# Altium PCB CHAHARDOLI-7 ADAD METAL.PcbDoc (part 1 of 10) (continued)
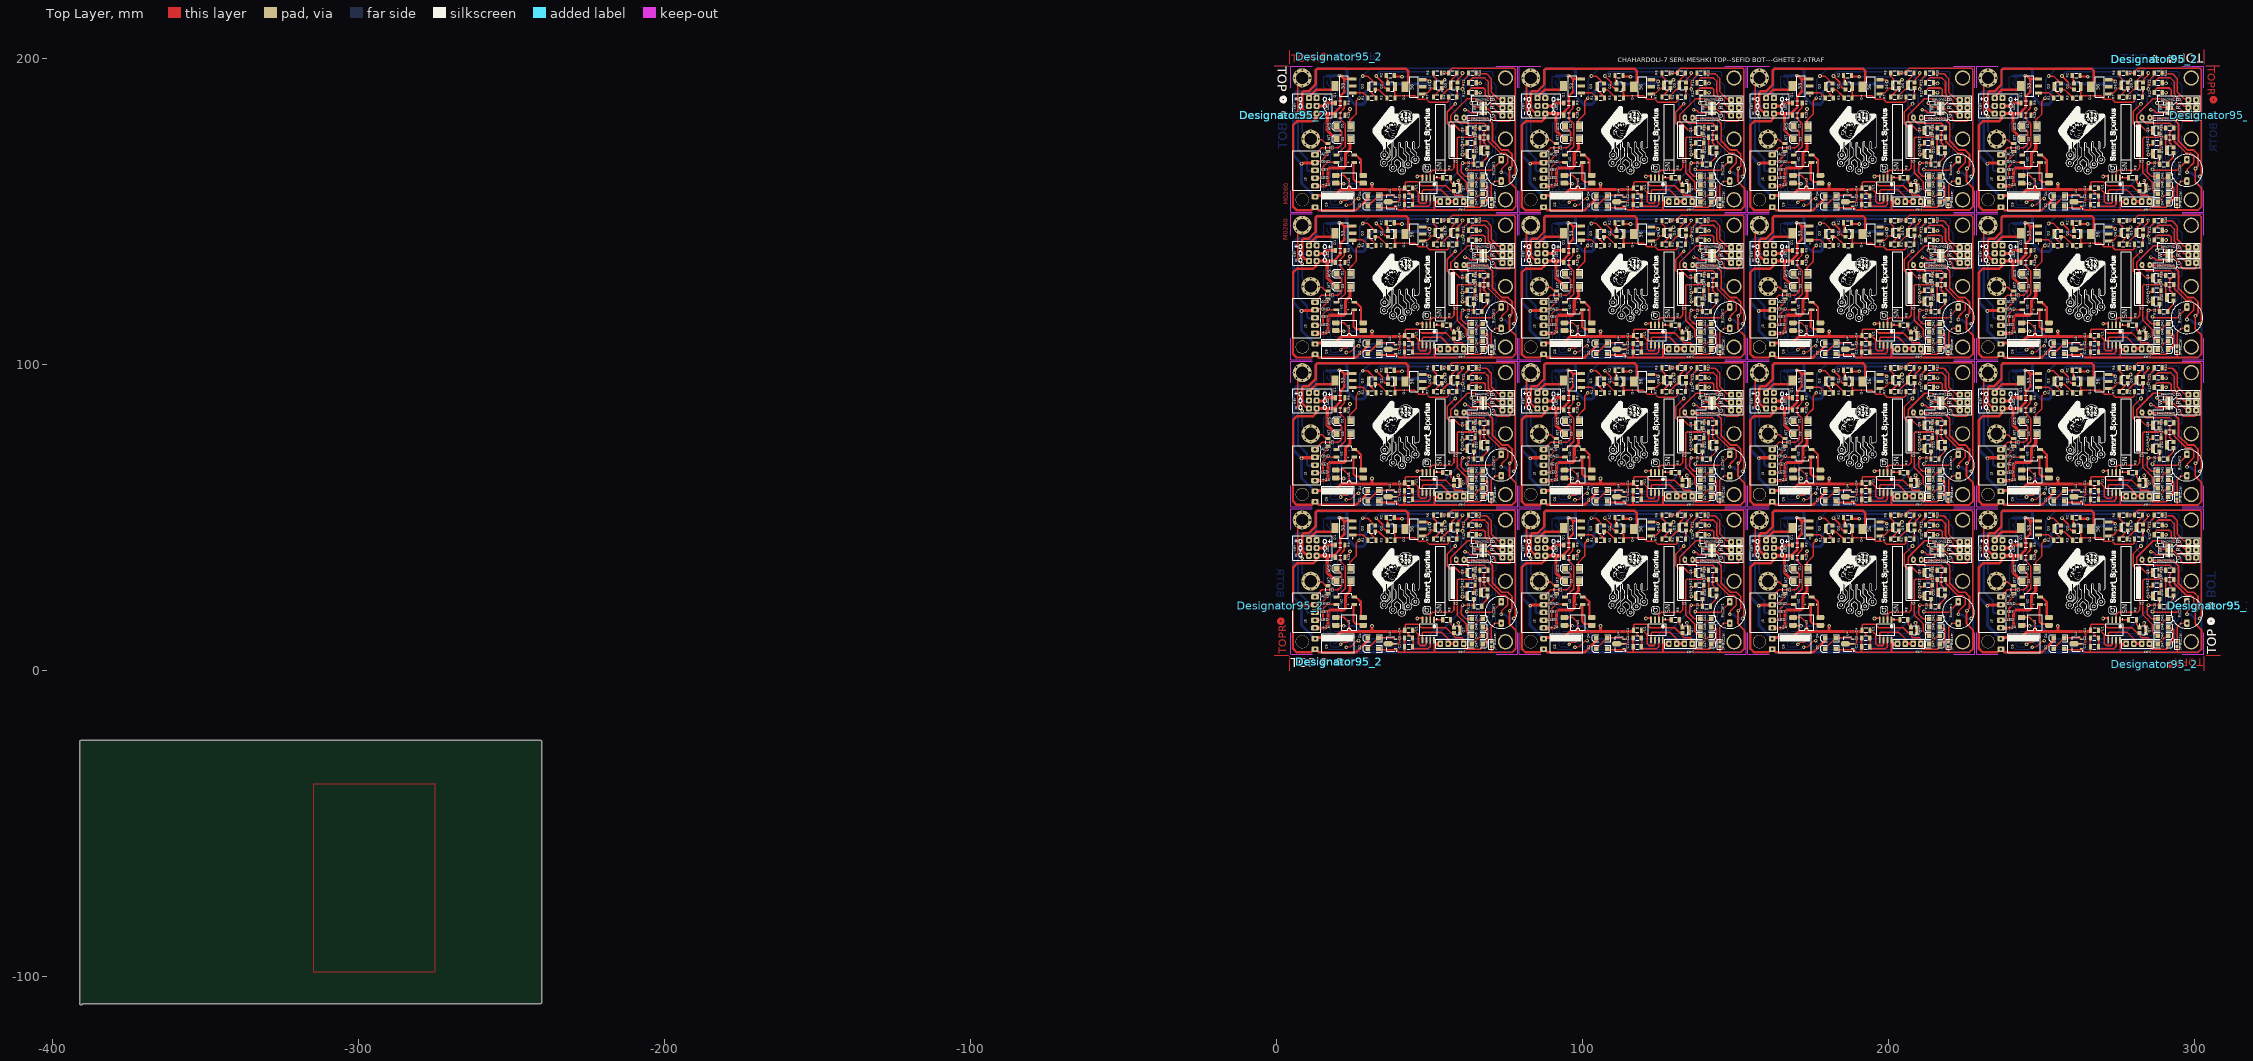
[diagram p0: Top Layer view]
## Components (designator, comment, footprint, x,y, rotation, side; value= is the part's Value field where it differs from the comment) (continued)
2 "LED2" "RES 0805 (2012X06L)" 68.336,31.31 r90 bottom
2 "LED2" "RES 0805 (2012X06L)" 68.336,22.51 r90 bottom
2 "LED2" "RES 0805 (2012X06L)" 68.336,13.71 r90 bottom
3 "LED2" "RES 0805 (2012X06L)" 292.4,9.31 r90 bottom
3 "LED2" "RES 0805 (2012X06L)" 292.4,18.11 r90 bottom
3 "LED2" "RES 0805 (2012X06L)" 292.4,26.91 r90 bottom
3 "LED2" "RES 0805 (2012X06L)" 292.4,35.71 r90 bottom
3 "LED2" "RES 0805 (2012X06L)" 292.4,44.51 r90 bottom
3 "LED2" "RES 0805 (2012X06L)" 242.8,44.51 r270 bottom
3 "LED2" "RES 0805 (2012X06L)" 242.8,35.71 r270 bottom
3 "LED2" "RES 0805 (2012X06L)" 242.8,26.91 r270 bottom
3 "LED2" "RES 0805 (2012X06L)" 242.8,18.11 r270 bottom
3 "LED2" "RES 0805 (2012X06L)" 242.8,9.51 r270 bottom
3 "LED2" "RES 0805 (2012X06L)" 242.8,57.655 r270 bottom
3 "LED2" "RES 0805 (2012X06L)" 242.8,66.255 r270 bottom
3 "LED2" "RES 0805 (2012X06L)" 242.8,75.055 r270 bottom
3 "LED2" "RES 0805 (2012X06L)" 242.8,83.855 r270 bottom
3 "LED2" "RES 0805 (2012X06L)" 242.8,92.655 r270 bottom
3 "LED2" "RES 0805 (2012X06L)" 292.4,92.655 r90 bottom
3 "LED2" "RES 0805 (2012X06L)" 292.4,83.855 r90 bottom
3 "LED2" "RES 0805 (2012X06L)" 292.4,75.055 r90 bottom
3 "LED2" "RES 0805 (2012X06L)" 292.4,66.255 r90 bottom
3 "LED2" "RES 0805 (2012X06L)" 292.4,57.455 r90 bottom
3 "LED2" "RES 0805 (2012X06L)" 242.8,105.8 r270 bottom
3 "LED2" "RES 0805 (2012X06L)" 242.8,114.4 r270 bottom
3 "LED2" "RES 0805 (2012X06L)" 242.8,123.2 r270 bottom
3 "LED2" "RES 0805 (2012X06L)" 242.8,132 r270 bottom
3 "LED2" "RES 0805 (2012X06L)" 242.8,140.8 r270 bottom
3 "LED2" "RES 0805 (2012X06L)" 292.4,140.8 r90 bottom
3 "LED2" "RES 0805 (2012X06L)" 292.4,132 r90 bottom
3 "LED2" "RES 0805 (2012X06L)" 292.4,123.2 r90 bottom
3 "LED2" "RES 0805 (2012X06L)" 292.4,114.4 r90 bottom
3 "LED2" "RES 0805 (2012X06L)" 292.4,105.6 r90 bottom
3 "LED2" "RES 0805 (2012X06L)" 242.8,153.945 r270 bottom
3 "LED2" "RES 0805 (2012X06L)" 242.8,162.545 r270 bottom
3 "LED2" "RES 0805 (2012X06L)" 242.8,171.345 r270 bottom
3 "LED2" "RES 0805 (2012X06L)" 242.8,180.145 r270 bottom
3 "LED2" "RES 0805 (2012X06L)" 242.8,188.945 r270 bottom
3 "LED2" "RES 0805 (2012X06L)" 292.4,188.945 r90 bottom
3 "LED2" "RES 0805 (2012X06L)" 292.4,180.145 r90 bottom
3 "LED2" "RES 0805 (2012X06L)" 292.4,171.345 r90 bottom
3 "LED2" "RES 0805 (2012X06L)" 292.4,162.545 r90 bottom
3 "LED2" "RES 0805 (2012X06L)" 292.4,153.745 r90 bottom
3 "LED2" "RES 0805 (2012X06L)" 217.712,153.745 r90 bottom
3 "LED2" "RES 0805 (2012X06L)" 217.712,162.545 r90 bottom
3 "LED2" "RES 0805 (2012X06L)" 217.712,171.345 r90 bottom
3 "LED2" "RES 0805 (2012X06L)" 217.712,180.145 r90 bottom
3 "LED2" "RES 0805 (2012X06L)" 217.712,188.945 r90 bottom
3 "LED2" "RES 0805 (2012X06L)" 168.112,188.945 r270 bottom
3 "LED2" "RES 0805 (2012X06L)" 168.112,180.145 r270 bottom
3 "LED2" "RES 0805 (2012X06L)" 168.112,171.345 r270 bottom
3 "LED2" "RES 0805 (2012X06L)" 168.112,162.545 r270 bottom
3 "LED2" "RES 0805 (2012X06L)" 168.112,153.945 r270 bottom
3 "LED2" "RES 0805 (2012X06L)" 217.712,105.6 r90 bottom
3 "LED2" "RES 0805 (2012X06L)" 217.712,114.4 r90 bottom
3 "LED2" "RES 0805 (2012X06L)" 217.712,123.2 r90 bottom
3 "LED2" "RES 0805 (2012X06L)" 217.712,132 r90 bottom
3 "LED2" "RES 0805 (2012X06L)" 217.712,140.8 r90 bottom
3 "LED2" "RES 0805 (2012X06L)" 168.112,140.8 r270 bottom
3 "LED2" "RES 0805 (2012X06L)" 168.112,132 r270 bottom
3 "LED2" "RES 0805 (2012X06L)" 168.112,123.2 r270 bottom
3 "LED2" "RES 0805 (2012X06L)" 168.112,114.4 r270 bottom
3 "LED2" "RES 0805 (2012X06L)" 168.112,105.8 r270 bottom
3 "LED2" "RES 0805 (2012X06L)" 217.712,57.455 r90 bottom
3 "LED2" "RES 0805 (2012X06L)" 217.712,66.255 r90 bottom
3 "LED2" "RES 0805 (2012X06L)" 217.712,75.055 r90 bottom
3 "LED2" "RES 0805 (2012X06L)" 217.712,83.855 r90 bottom
3 "LED2" "RES 0805 (2012X06L)" 217.712,92.655 r90 bottom
3 "LED2" "RES 0805 (2012X06L)" 168.112,92.655 r270 bottom
3 "LED2" "RES 0805 (2012X06L)" 168.112,83.855 r270 bottom
3 "LED2" "RES 0805 (2012X06L)" 168.112,75.055 r270 bottom
3 "LED2" "RES 0805 (2012X06L)" 168.112,66.255 r270 bottom
3 "LED2" "RES 0805 (2012X06L)" 168.112,57.655 r270 bottom
3 "LED2" "RES 0805 (2012X06L)" 168.112,9.51 r270 bottom
3 "LED2" "RES 0805 (2012X06L)" 168.112,18.11 r270 bottom
3 "LED2" "RES 0805 (2012X06L)" 168.112,26.91 r270 bottom
3 "LED2" "RES 0805 (2012X06L)" 168.112,35.71 r270 bottom
3 "LED2" "RES 0805 (2012X06L)" 168.112,44.51 r270 bottom
3 "LED2" "RES 0805 (2012X06L)" 217.712,44.51 r90 bottom
3 "LED2" "RES 0805 (2012X06L)" 217.712,35.71 r90 bottom
3 "LED2" "RES 0805 (2012X06L)" 217.712,26.91 r90 bottom
3 "LED2" "RES 0805 (2012X06L)" 217.712,18.11 r90 bottom
3 "LED2" "RES 0805 (2012X06L)" 217.712,9.31 r90 bottom
3 "LED2" "RES 0805 (2012X06L)" 143.024,153.745 r90 bottom
3 "LED2" "RES 0805 (2012X06L)" 143.024,162.545 r90 bottom
3 "LED2" "RES 0805 (2012X06L)" 143.024,171.345 r90 bottom
3 "LED2" "RES 0805 (2012X06L)" 143.024,180.145 r90 bottom
3 "LED2" "RES 0805 (2012X06L)" 143.024,188.945 r90 bottom
3 "LED2" "RES 0805 (2012X06L)" 93.424,188.945 r270 bottom
3 "LED2" "RES 0805 (2012X06L)" 93.424,180.145 r270 bottom
3 "LED2" "RES 0805 (2012X06L)" 93.424,171.345 r270 bottom
3 "LED2" "RES 0805 (2012X06L)" 93.424,162.545 r270 bottom
3 "LED2" "RES 0805 (2012X06L)" 93.424,153.945 r270 bottom
3 "LED2" "RES 0805 (2012X06L)" 143.024,105.6 r90 bottom
3 "LED2" "RES 0805 (2012X06L)" 143.024,114.4 r90 bottom
3 "LED2" "RES 0805 (2012X06L)" 143.024,123.2 r90 bottom
3 "LED2" "RES 0805 (2012X06L)" 143.024,132 r90 bottom
3 "LED2" "RES 0805 (2012X06L)" 143.024,140.8 r90 bottom
3 "LED2" "RES 0805 (2012X06L)" 93.424,140.8 r270 bottom
3 "LED2" "RES 0805 (2012X06L)" 93.424,132 r270 bottom
3 "LED2" "RES 0805 (2012X06L)" 93.424,123.2 r270 bottom
3 "LED2" "RES 0805 (2012X06L)" 93.424,114.4 r270 bottom
3 "LED2" "RES 0805 (2012X06L)" 93.424,105.8 r270 bottom
3 "LED2" "RES 0805 (2012X06L)" 143.024,57.455 r90 bottom
3 "LED2" "RES 0805 (2012X06L)" 143.024,66.255 r90 bottom
3 "LED2" "RES 0805 (2012X06L)" 143.024,75.055 r90 bottom
3 "LED2" "RES 0805 (2012X06L)" 143.024,83.855 r90 bottom
3 "LED2" "RES 0805 (2012X06L)" 143.024,92.655 r90 bottom
3 "LED2" "RES 0805 (2012X06L)" 93.424,92.655 r270 bottom
3 "LED2" "RES 0805 (2012X06L)" 93.424,83.855 r270 bottom
3 "LED2" "RES 0805 (2012X06L)" 93.424,75.055 r270 bottom
3 "LED2" "RES 0805 (2012X06L)" 93.424,66.255 r270 bottom
3 "LED2" "RES 0805 (2012X06L)" 93.424,57.655 r270 bottom
3 "LED2" "RES 0805 (2012X06L)" 93.424,9.51 r270 bottom
3 "LED2" "RES 0805 (2012X06L)" 93.424,18.11 r270 bottom
3 "LED2" "RES 0805 (2012X06L)" 93.424,26.91 r270 bottom
3 "LED2" "RES 0805 (2012X06L)" 93.424,35.71 r270 bottom
3 "LED2" "RES 0805 (2012X06L)" 93.424,44.51 r270 bottom
3 "LED2" "RES 0805 (2012X06L)" 143.024,44.51 r90 bottom
3 "LED2" "RES 0805 (2012X06L)" 143.024,35.71 r90 bottom
3 "LED2" "RES 0805 (2012X06L)" 143.024,26.91 r90 bottom
3 "LED2" "RES 0805 (2012X06L)" 143.024,18.11 r90 bottom
3 "LED2" "RES 0805 (2012X06L)" 143.024,9.31 r90 bottom
3 "LED2" "RES 0805 (2012X06L)" 68.336,153.745 r90 bottom
3 "LED2" "RES 0805 (2012X06L)" 68.336,162.545 r90 bottom
3 "LED2" "RES 0805 (2012X06L)" 68.336,171.345 r90 bottom
3 "LED2" "RES 0805 (2012X06L)" 68.336,180.145 r90 bottom
3 "LED2" "RES 0805 (2012X06L)" 68.336,188.945 r90 bottom
3 "LED2" "RES 0805 (2012X06L)" 18.736,188.945 r270 bottom
3 "LED2" "RES 0805 (2012X06L)" 18.736,180.145 r270 bottom
3 "LED2" "RES 0805 (2012X06L)" 18.736,171.345 r270 bottom
3 "LED2" "RES 0805 (2012X06L)" 18.736,162.545 r270 bottom
3 "LED2" "RES 0805 (2012X06L)" 18.736,153.945 r270 bottom
3 "LED2" "RES 0805 (2012X06L)" 68.336,105.6 r90 bottom
3 "LED2" "RES 0805 (2012X06L)" 68.336,114.4 r90 bottom
3 "LED2" "RES 0805 (2012X06L)" 68.336,123.2 r90 bottom
3 "LED2" "RES 0805 (2012X06L)" 68.336,132 r90 bottom
3 "LED2" "RES 0805 (2012X06L)" 68.336,140.8 r90 bottom
3 "LED2" "RES 0805 (2012X06L)" 18.736,140.8 r270 bottom
3 "LED2" "RES 0805 (2012X06L)" 18.736,132 r270 bottom
3 "LED2" "RES 0805 (2012X06L)" 18.736,123.2 r270 bottom
3 "LED2" "RES 0805 (2012X06L)" 18.736,114.4 r270 bottom
3 "LED2" "RES 0805 (2012X06L)" 18.736,105.8 r270 bottom
3 "LED2" "RES 0805 (2012X06L)" 68.336,57.455 r90 bottom
3 "LED2" "RES 0805 (2012X06L)" 68.336,66.255 r90 bottom
3 "LED2" "RES 0805 (2012X06L)" 68.336,75.055 r90 bottom
3 "LED2" "RES 0805 (2012X06L)" 68.336,83.855 r90 bottom
3 "LED2" "RES 0805 (2012X06L)" 68.336,92.655 r90 bottom
3 "LED2" "RES 0805 (2012X06L)" 18.736,92.655 r270 bottom
3 "LED2" "RES 0805 (2012X06L)" 18.736,83.855 r270 bottom
3 "LED2" "RES 0805 (2012X06L)" 18.736,75.055 r270 bottom
3 "LED2" "RES 0805 (2012X06L)" 18.736,66.255 r270 bottom
3 "LED2" "RES 0805 (2012X06L)" 18.736,57.655 r270 bottom
3 "LED2" "RES 0805 (2012X06L)" 18.736,9.51 r270 bottom
3 "LED2" "RES 0805 (2012X06L)" 18.736,18.11 r270 bottom
3 "LED2" "RES 0805 (2012X06L)" 18.736,26.91 r270 bottom
3 "LED2" "RES 0805 (2012X06L)" 18.736,35.71 r270 bottom
3 "LED2" "RES 0805 (2012X06L)" 18.736,44.51 r270 bottom
3 "LED2" "RES 0805 (2012X06L)" 68.336,44.51 r90 bottom
3 "LED2" "RES 0805 (2012X06L)" 68.336,35.71 r90 bottom
3 "LED2" "RES 0805 (2012X06L)" 68.336,26.91 r90 bottom
3 "LED2" "RES 0805 (2012X06L)" 68.336,18.11 r90 bottom
3 "LED2" "RES 0805 (2012X06L)" 68.336,9.31 r90 bottom
4 "LED2" "RES 0805 (2012X06L)" 240.6,48.91 r270 bottom
4 "LED2" "RES 0805 (2012X06L)" 240.6,40.11 r270 bottom
4 "LED2" "RES 0805 (2012X06L)" 240.6,31.31 r270 bottom
4 "LED2" "RES 0805 (2012X06L)" 240.6,22.51 r270 bottom
4 "LED2" "RES 0805 (2012X06L)" 240.6,13.71 r270 bottom
4 "LED2" "RES 0805 (2012X06L)" 294.6,13.71 r90 bottom
4 "LED2" "RES 0805 (2012X06L)" 294.6,22.51 r90 bottom
4 "LED2" "RES 0805 (2012X06L)" 294.6,31.31 r90 bottom
4 "LED2" "RES 0805 (2012X06L)" 294.6,40.11 r90 bottom
4 "LED2" "RES 0805 (2012X06L)" 294.6,48.71 r90 bottom
4 "LED2" "RES 0805 (2012X06L)" 294.6,96.855 r90 bottom
4 "LED2" "RES 0805 (2012X06L)" 294.6,88.255 r90 bottom
4 "LED2" "RES 0805 (2012X06L)" 294.6,79.455 r90 bottom
4 "LED2" "RES 0805 (2012X06L)" 294.6,70.655 r90 bottom
4 "LED2" "RES 0805 (2012X06L)" 294.6,61.855 r90 bottom
4 "LED2" "RES 0805 (2012X06L)" 240.6,61.855 r270 bottom
4 "LED2" "RES 0805 (2012X06L)" 240.6,70.655 r270 bottom
4 "LED2" "RES 0805 (2012X06L)" 240.6,79.455 r270 bottom
4 "LED2" "RES 0805 (2012X06L)" 240.6,88.255 r270 bottom
4 "LED2" "RES 0805 (2012X06L)" 240.6,97.055 r270 bottom
4 "LED2" "RES 0805 (2012X06L)" 294.6,145 r90 bottom
4 "LED2" "RES 0805 (2012X06L)" 294.6,136.4 r90 bottom
4 "LED2" "RES 0805 (2012X06L)" 294.6,127.6 r90 bottom
4 "LED2" "RES 0805 (2012X06L)" 294.6,118.8 r90 bottom
4 "LED2" "RES 0805 (2012X06L)" 294.6,110 r90 bottom
4 "LED2" "RES 0805 (2012X06L)" 240.6,110 r270 bottom
4 "LED2" "RES 0805 (2012X06L)" 240.6,118.8 r270 bottom
4 "LED2" "RES 0805 (2012X06L)" 240.6,127.6 r270 bottom
4 "LED2" "RES 0805 (2012X06L)" 240.6,136.4 r270 bottom
4 "LED2" "RES 0805 (2012X06L)" 240.6,145.2 r270 bottom
4 "LED2" "RES 0805 (2012X06L)" 294.6,193.145 r90 bottom
4 "LED2" "RES 0805 (2012X06L)" 294.6,184.545 r90 bottom
4 "LED2" "RES 0805 (2012X06L)" 294.6,175.745 r90 bottom
4 "LED2" "RES 0805 (2012X06L)" 294.6,166.945 r90 bottom
4 "LED2" "RES 0805 (2012X06L)" 294.6,158.145 r90 bottom
4 "LED2" "RES 0805 (2012X06L)" 240.6,158.145 r270 bottom
4 "LED2" "RES 0805 (2012X06L)" 240.6,166.945 r270 bottom
4 "LED2" "RES 0805 (2012X06L)" 240.6,175.745 r270 bottom
4 "LED2" "RES 0805 (2012X06L)" 240.6,184.545 r270 bottom
4 "LED2" "RES 0805 (2012X06L)" 240.6,193.345 r270 bottom
4 "LED2" "RES 0805 (2012X06L)" 165.912,193.345 r270 bottom
4 "LED2" "RES 0805 (2012X06L)" 165.912,184.545 r270 bottom
4 "LED2" "RES 0805 (2012X06L)" 165.912,175.745 r270 bottom
4 "LED2" "RES 0805 (2012X06L)" 165.912,166.945 r270 bottom
4 "LED2" "RES 0805 (2012X06L)" 165.912,158.145 r270 bottom
4 "LED2" "RES 0805 (2012X06L)" 219.912,158.145 r90 bottom
4 "LED2" "RES 0805 (2012X06L)" 219.912,166.945 r90 bottom
4 "LED2" "RES 0805 (2012X06L)" 219.912,175.745 r90 bottom
4 "LED2" "RES 0805 (2012X06L)" 219.912,184.545 r90 bottom
4 "LED2" "RES 0805 (2012X06L)" 219.912,193.145 r90 bottom
4 "LED2" "RES 0805 (2012X06L)" 165.912,145.2 r270 bottom
4 "LED2" "RES 0805 (2012X06L)" 165.912,136.4 r270 bottom
4 "LED2" "RES 0805 (2012X06L)" 165.912,127.6 r270 bottom
4 "LED2" "RES 0805 (2012X06L)" 165.912,118.8 r270 bottom
4 "LED2" "RES 0805 (2012X06L)" 165.912,110 r270 bottom
4 "LED2" "RES 0805 (2012X06L)" 219.912,110 r90 bottom
4 "LED2" "RES 0805 (2012X06L)" 219.912,118.8 r90 bottom
4 "LED2" "RES 0805 (2012X06L)" 219.912,127.6 r90 bottom
4 "LED2" "RES 0805 (2012X06L)" 219.912,136.4 r90 bottom
4 "LED2" "RES 0805 (2012X06L)" 219.912,145 r90 bottom
4 "LED2" "RES 0805 (2012X06L)" 165.912,97.055 r270 bottom
4 "LED2" "RES 0805 (2012X06L)" 165.912,88.255 r270 bottom
4 "LED2" "RES 0805 (2012X06L)" 165.912,79.455 r270 bottom
4 "LED2" "RES 0805 (2012X06L)" 165.912,70.655 r270 bottom
4 "LED2" "RES 0805 (2012X06L)" 165.912,61.855 r270 bottom
4 "LED2" "RES 0805 (2012X06L)" 219.912,61.855 r90 bottom
4 "LED2" "RES 0805 (2012X06L)" 219.912,70.655 r90 bottom
4 "LED2" "RES 0805 (2012X06L)" 219.912,79.455 r90 bottom
4 "LED2" "RES 0805 (2012X06L)" 219.912,88.255 r90 bottom
4 "LED2" "RES 0805 (2012X06L)" 219.912,96.855 r90 bottom
4 "LED2" "RES 0805 (2012X06L)" 219.912,48.71 r90 bottom
4 "LED2" "RES 0805 (2012X06L)" 219.912,40.11 r90 bottom
4 "LED2" "RES 0805 (2012X06L)" 219.912,31.31 r90 bottom
4 "LED2" "RES 0805 (2012X06L)" 219.912,22.51 r90 bottom
4 "LED2" "RES 0805 (2012X06L)" 219.912,13.71 r90 bottom
4 "LED2" "RES 0805 (2012X06L)" 165.912,13.71 r270 bottom
4 "LED2" "RES 0805 (2012X06L)" 165.912,22.51 r270 bottom
4 "LED2" "RES 0805 (2012X06L)" 165.912,31.31 r270 bottom
4 "LED2" "RES 0805 (2012X06L)" 165.912,40.11 r270 bottom
4 "LED2" "RES 0805 (2012X06L)" 165.912,48.91 r270 bottom
4 "LED2" "RES 0805 (2012X06L)" 91.224,193.345 r270 bottom
4 "LED2" "RES 0805 (2012X06L)" 91.224,184.545 r270 bottom
4 "LED2" "RES 0805 (2012X06L)" 91.224,175.745 r270 bottom
4 "LED2" "RES 0805 (2012X06L)" 91.224,166.945 r270 bottom
4 "LED2" "RES 0805 (2012X06L)" 91.224,158.145 r270 bottom
4 "LED2" "RES 0805 (2012X06L)" 145.224,158.145 r90 bottom
4 "LED2" "RES 0805 (2012X06L)" 145.224,166.945 r90 bottom
4 "LED2" "RES 0805 (2012X06L)" 145.224,175.745 r90 bottom
4 "LED2" "RES 0805 (2012X06L)" 145.224,184.545 r90 bottom
4 "LED2" "RES 0805 (2012X06L)" 145.224,193.145 r90 bottom
4 "LED2" "RES 0805 (2012X06L)" 91.224,145.2 r270 bottom
4 "LED2" "RES 0805 (2012X06L)" 91.224,136.4 r270 bottom
4 "LED2" "RES 0805 (2012X06L)" 91.224,127.6 r270 bottom
4 "LED2" "RES 0805 (2012X06L)" 91.224,118.8 r270 bottom
4 "LED2" "RES 0805 (2012X06L)" 91.224,110 r270 bottom
4 "LED2" "RES 0805 (2012X06L)" 145.224,110 r90 bottom
4 "LED2" "RES 0805 (2012X06L)" 145.224,118.8 r90 bottom
4 "LED2" "RES 0805 (2012X06L)" 145.224,127.6 r90 bottom
4 "LED2" "RES 0805 (2012X06L)" 145.224,136.4 r90 bottom
4 "LED2" "RES 0805 (2012X06L)" 145.224,145 r90 bottom
4 "LED2" "RES 0805 (2012X06L)" 91.224,97.055 r270 bottom
4 "LED2" "RES 0805 (2012X06L)" 91.224,88.255 r270 bottom
4 "LED2" "RES 0805 (2012X06L)" 91.224,79.455 r270 bottom
4 "LED2" "RES 0805 (2012X06L)" 91.224,70.655 r270 bottom
4 "LED2" "RES 0805 (2012X06L)" 91.224,61.855 r270 bottom
4 "LED2" "RES 0805 (2012X06L)" 145.224,61.855 r90 bottom
4 "LED2" "RES 0805 (2012X06L)" 145.224,70.655 r90 bottom
4 "LED2" "RES 0805 (2012X06L)" 145.224,79.455 r90 bottom
4 "LED2" "RES 0805 (2012X06L)" 145.224,88.255 r90 bottom
4 "LED2" "RES 0805 (2012X06L)" 145.224,96.855 r90 bottom
4 "LED2" "RES 0805 (2012X06L)" 145.224,48.71 r90 bottom
4 "LED2" "RES 0805 (2012X06L)" 145.224,40.11 r90 bottom
4 "LED2" "RES 0805 (2012X06L)" 145.224,31.31 r90 bottom
4 "LED2" "RES 0805 (2012X06L)" 145.224,22.51 r90 bottom
4 "LED2" "RES 0805 (2012X06L)" 145.224,13.71 r90 bottom
4 "LED2" "RES 0805 (2012X06L)" 91.224,13.71 r270 bottom
4 "LED2" "RES 0805 (2012X06L)" 91.224,22.51 r270 bottom
4 "LED2" "RES 0805 (2012X06L)" 91.224,31.31 r270 bottom
4 "LED2" "RES 0805 (2012X06L)" 91.224,40.11 r270 bottom
4 "LED2" "RES 0805 (2012X06L)" 91.224,48.91 r270 bottom
4 "LED2" "RES 0805 (2012X06L)" 16.536,193.345 r270 bottom
4 "LED2" "RES 0805 (2012X06L)" 16.536,184.545 r270 bottom
4 "LED2" "RES 0805 (2012X06L)" 16.536,175.745 r270 bottom
4 "LED2" "RES 0805 (2012X06L)" 16.536,166.945 r270 bottom
4 "LED2" "RES 0805 (2012X06L)" 16.536,158.145 r270 bottom
4 "LED2" "RES 0805 (2012X06L)" 70.536,158.145 r90 bottom
4 "LED2" "RES 0805 (2012X06L)" 70.536,166.945 r90 bottom
4 "LED2" "RES 0805 (2012X06L)" 70.536,175.745 r90 bottom
4 "LED2" "RES 0805 (2012X06L)" 70.536,184.545 r90 bottom
4 "LED2" "RES 0805 (2012X06L)" 70.536,193.145 r90 bottom
4 "LED2" "RES 0805 (2012X06L)" 16.536,145.2 r270 bottom
4 "LED2" "RES 0805 (2012X06L)" 16.536,136.4 r270 bottom
4 "LED2" "RES 0805 (2012X06L)" 16.536,127.6 r270 bottom
4 "LED2" "RES 0805 (2012X06L)" 16.536,118.8 r270 bottom
4 "LED2" "RES 0805 (2012X06L)" 16.536,110 r270 bottom
4 "LED2" "RES 0805 (2012X06L)" 70.536,110 r90 bottom
4 "LED2" "RES 0805 (2012X06L)" 70.536,118.8 r90 bottom
4 "LED2" "RES 0805 (2012X06L)" 70.536,127.6 r90 bottom
4 "LED2" "RES 0805 (2012X06L)" 70.536,136.4 r90 bottom
4 "LED2" "RES 0805 (2012X06L)" 70.536,145 r90 bottom
4 "LED2" "RES 0805 (2012X06L)" 16.536,97.055 r270 bottom
4 "LED2" "RES 0805 (2012X06L)" 16.536,88.255 r270 bottom
4 "LED2" "RES 0805 (2012X06L)" 16.536,79.455 r270 bottom
4 "LED2" "RES 0805 (2012X06L)" 16.536,70.655 r270 bottom
4 "LED2" "RES 0805 (2012X06L)" 16.536,61.855 r270 bottom
4 "LED2" "RES 0805 (2012X06L)" 70.536,61.855 r90 bottom
4 "LED2" "RES 0805 (2012X06L)" 70.536,70.655 r90 bottom
4 "LED2" "RES 0805 (2012X06L)" 70.536,79.455 r90 bottom
4 "LED2" "RES 0805 (2012X06L)" 70.536,88.255 r90 bottom
4 "LED2" "RES 0805 (2012X06L)" 70.536,96.855 r90 bottom
4 "LED2" "RES 0805 (2012X06L)" 70.536,48.71 r90 bottom
4 "LED2" "RES 0805 (2012X06L)" 70.536,40.11 r90 bottom
4 "LED2" "RES 0805 (2012X06L)" 70.536,31.31 r90 bottom
4 "LED2" "RES 0805 (2012X06L)" 70.536,22.51 r90 bottom
4 "LED2" "RES 0805 (2012X06L)" 70.536,13.71 r90 bottom
4 "LED2" "RES 0805 (2012X06L)" 16.536,13.71 r270 bottom
4 "LED2" "RES 0805 (2012X06L)" 16.536,22.51 r270 bottom
4 "LED2" "RES 0805 (2012X06L)" 16.536,31.31 r270 bottom
4 "LED2" "RES 0805 (2012X06L)" 16.536,40.11 r270 bottom
4 "LED2" "RES 0805 (2012X06L)" 16.536,48.91 r270 bottom
Buzzer1 "Buzzer" BUZZER 297.4,18.91 r90 top
Buzzer1 "Buzzer" BUZZER 297.4,67.055 r90 top
Buzzer1 "Buzzer" BUZZER 297.4,115.2 r90 top
Buzzer1 "Buzzer" BUZZER 297.4,163.345 r90 top
Buzzer1 "Buzzer" BUZZER 222.712,163.345 r90 top
Buzzer1 "Buzzer" BUZZER 222.712,115.2 r90 top
Buzzer1 "Buzzer" BUZZER 222.712,67.055 r90 top
Buzzer1 "Buzzer" BUZZER 222.712,18.91 r90 top
Buzzer1 "Buzzer" BUZZER 148.024,163.345 r90 top
Buzzer1 "Buzzer" BUZZER 148.024,115.2 r90 top
Buzzer1 "Buzzer" BUZZER 148.024,67.055 r90 top
Buzzer1 "Buzzer" BUZZER 148.024,18.91 r90 top
Buzzer1 "Buzzer" BUZZER 73.336,163.345 r90 top
Buzzer1 "Buzzer" BUZZER 73.336,115.2 r90 top
Buzzer1 "Buzzer" BUZZER 73.336,67.055 r90 top
Buzzer1 "Buzzer" BUZZER 73.336,18.91 r90 top
C1 "=Value" "CAP 1206" 267.2,7.71 r180 top
C1 "=Value" "CAP 1206" 267.2,55.855 r180 top
C1 "=Value" "CAP 1206" 267.2,104 r180 top
C1 "=Value" "CAP 1206" 267.2,152.145 r180 top
C1 "=Value" "CAP 1206" 192.512,152.145 r180 top
C1 "=Value" "CAP 1206" 192.512,104 r180 top
C1 "=Value" "CAP 1206" 192.512,55.855 r180 top
C1 "=Value" "CAP 1206" 192.512,7.71 r180 top
C1 "=Value" "CAP 1206" 117.824,152.145 r180 top
C1 "=Value" "CAP 1206" 117.824,104 r180 top
C1 "=Value" "CAP 1206" 117.824,55.855 r180 top
C1 "=Value" "CAP 1206" 117.824,7.71 r180 top
C1 "=Value" "CAP 1206" 43.136,152.145 r180 top
C1 "=Value" "CAP 1206" 43.136,104 r180 top
C1 "=Value" "CAP 1206" 43.136,55.855 r180 top
C1 "=Value" "CAP 1206" 43.136,7.71 r180 top
C2 "=Value" "CAP 1206" 267.2,10.51 r180 top
C2 "=Value" "CAP 1206" 267.2,58.655 r180 top
C2 "=Value" "CAP 1206" 267.2,106.8 r180 top
C2 "=Value" "CAP 1206" 267.2,154.945 r180 top
C2 "=Value" "CAP 1206" 192.512,154.945 r180 top
C2 "=Value" "CAP 1206" 192.512,106.8 r180 top
C2 "=Value" "CAP 1206" 192.512,58.655 r180 top
C2 "=Value" "CAP 1206" 192.512,10.51 r180 top
C2 "=Value" "CAP 1206" 117.824,154.945 r180 top
C2 "=Value" "CAP 1206" 117.824,106.8 r180 top
C2 "=Value" "CAP 1206" 117.824,58.655 r180 top
C2 "=Value" "CAP 1206" 117.824,10.51 r180 top
C2 "=Value" "CAP 1206" 43.136,154.945 r180 top
C2 "=Value" "CAP 1206" 43.136,106.8 r180 top
C2 "=Value" "CAP 1206" 43.136,58.655 r180 top
C2 "=Value" "CAP 1206" 43.136,10.51 r180 top
C3 "=Value" "CAP 1206" 240.8,26.31 r90 top
C3 "=Value" "CAP 1206" 240.8,74.455 r90 top
C3 "=Value" "CAP 1206" 240.8,122.6 r90 top
C3 "=Value" "CAP 1206" 240.8,170.745 r90 top
C3 "=Value" "CAP 1206" 166.112,170.745 r90 top
C3 "=Value" "CAP 1206" 166.112,122.6 r90 top
C3 "=Value" "CAP 1206" 166.112,74.455 r90 top
C3 "=Value" "CAP 1206" 166.112,26.31 r90 top
C3 "=Value" "CAP 1206" 91.424,170.745 r90 top
C3 "=Value" "CAP 1206" 91.424,122.6 r90 top
C3 "=Value" "CAP 1206" 91.424,74.455 r90 top
C3 "=Value" "CAP 1206" 91.424,26.31 r90 top
C3 "=Value" "CAP 1206" 16.736,170.745 r90 top
C3 "=Value" "CAP 1206" 16.736,122.6 r90 top
C3 "=Value" "CAP 1206" 16.736,74.455 r90 top
C3 "=Value" "CAP 1206" 16.736,26.31 r90 top
C4 "=Value" "CAP 1206" 267.2,13.11 r0 top
C4 "=Value" "CAP 1206" 267.2,61.255 r0 top
C4 "=Value" "CAP 1206" 267.2,109.4 r0 top
C4 "=Value" "CAP 1206" 267.2,157.545 r0 top
C4 "=Value" "CAP 1206" 192.512,157.545 r0 top
C4 "=Value" "CAP 1206" 192.512,109.4 r0 top
C4 "=Value" "CAP 1206" 192.512,61.255 r0 top
C4 "=Value" "CAP 1206" 192.512,13.11 r0 top
C4 "=Value" "CAP 1206" 117.824,157.545 r0 top
C4 "=Value" "CAP 1206" 117.824,109.4 r0 top
C4 "=Value" "CAP 1206" 117.824,61.255 r0 top
C4 "=Value" "CAP 1206" 117.824,13.11 r0 top
C4 "=Value" "CAP 1206" 43.136,157.545 r0 top
C4 "=Value" "CAP 1206" 43.136,109.4 r0 top
C4 "=Value" "CAP 1206" 43.136,61.255 r0 top
C4 "=Value" "CAP 1206" 43.136,13.11 r0 top
C5 "=Value" ELEC-CAP-RAD10-20 284,36.11 r0 top
C5 "=Value" ELEC-CAP-RAD10-20 284,84.255 r0 top
C5 "=Value" ELEC-CAP-RAD10-20 284,132.4 r0 top
C5 "=Value" ELEC-CAP-RAD10-20 284,180.545 r0 top
C5 "=Value" ELEC-CAP-RAD10-20 209.312,180.545 r0 top
C5 "=Value" ELEC-CAP-RAD10-20 209.312,132.4 r0 top
C5 "=Value" ELEC-CAP-RAD10-20 209.312,84.255 r0 top
C5 "=Value" ELEC-CAP-RAD10-20 209.312,36.11 r0 top
C5 "=Value" ELEC-CAP-RAD10-20 134.624,180.545 r0 top
C5 "=Value" ELEC-CAP-RAD10-20 134.624,132.4 r0 top
C5 "=Value" ELEC-CAP-RAD10-20 134.624,84.255 r0 top
C5 "=Value" ELEC-CAP-RAD10-20 134.624,36.11 r0 top
C5 "=Value" ELEC-CAP-RAD10-20 59.936,180.545 r0 top
C5 "=Value" ELEC-CAP-RAD10-20 59.936,132.4 r0 top
C5 "=Value" ELEC-CAP-RAD10-20 59.936,84.255 r0 top
C5 "=Value" ELEC-CAP-RAD10-20 59.936,36.11 r0 top
C6 "=Value" ELEC-CAP-RAD15-30 238.6,8.71 r270 top
C6 "=Value" ELEC-CAP-RAD15-30 238.6,56.855 r270 top
C6 "=Value" ELEC-CAP-RAD15-30 238.6,105 r270 top
C6 "=Value" ELEC-CAP-RAD15-30 238.6,153.145 r270 top
C6 "=Value" ELEC-CAP-RAD15-30 163.912,153.145 r270 top
C6 "=Value" ELEC-CAP-RAD15-30 163.912,105 r270 top
C6 "=Value" ELEC-CAP-RAD15-30 163.912,56.855 r270 top
C6 "=Value" ELEC-CAP-RAD15-30 163.912,8.71 r270 top
C6 "=Value" ELEC-CAP-RAD15-30 89.224,153.145 r270 top
C6 "=Value" ELEC-CAP-RAD15-30 89.224,105 r270 top
C6 "=Value" ELEC-CAP-RAD15-30 89.224,56.855 r270 top
C6 "=Value" ELEC-CAP-RAD15-30 89.224,8.71 r270 top
C6 "=Value" ELEC-CAP-RAD15-30 14.536,153.145 r270 top
C6 "=Value" ELEC-CAP-RAD15-30 14.536,105 r270 top
C6 "=Value" ELEC-CAP-RAD15-30 14.536,56.855 r270 top
C6 "=Value" ELEC-CAP-RAD15-30 14.536,8.71 r270 top
D1 "D Tunnel1" 3.2X1.6X1.1#1 246.4,33.31 r180 top
D1 "D Tunnel1" 3.2X1.6X1.1#1 246.4,81.455 r180 top
D1 "D Tunnel1" 3.2X1.6X1.1#1 246.4,129.6 r180 top
D1 "D Tunnel1" 3.2X1.6X1.1#1 246.4,177.745 r180 top
D1 "D Tunnel1" 3.2X1.6X1.1#1 171.712,177.745 r180 top
D1 "D Tunnel1" 3.2X1.6X1.1#1 171.712,129.6 r180 top
D1 "D Tunnel1" 3.2X1.6X1.1#1 171.712,81.455 r180 top
D1 "D Tunnel1" 3.2X1.6X1.1#1 171.712,33.31 r180 top
D1 "D Tunnel1" 3.2X1.6X1.1#1 97.024,177.745 r180 top
D1 "D Tunnel1" 3.2X1.6X1.1#1 97.024,129.6 r180 top
D1 "D Tunnel1" 3.2X1.6X1.1#1 97.024,81.455 r180 top
D1 "D Tunnel1" 3.2X1.6X1.1#1 97.024,33.31 r180 top
D1 "D Tunnel1" 3.2X1.6X1.1#1 22.336,177.745 r180 top
D1 "D Tunnel1" 3.2X1.6X1.1#1 22.336,129.6 r180 top
D1 "D Tunnel1" 3.2X1.6X1.1#1 22.336,81.455 r180 top
D1 "D Tunnel1" 3.2X1.6X1.1#1 22.336,33.31 r180 top
D2 "D Tunnel1" 3.2X1.6X1.1#2 255.6,7.11 r180 top
D2 "D Tunnel1" 3.2X1.6X1.1#2 255.6,55.255 r180 top
D2 "D Tunnel1" 3.2X1.6X1.1#2 255.6,103.4 r180 top
D2 "D Tunnel1" 3.2X1.6X1.1#2 255.6,151.545 r180 top
D2 "D Tunnel1" 3.2X1.6X1.1#2 180.912,151.545 r180 top
D2 "D Tunnel1" 3.2X1.6X1.1#2 180.912,103.4 r180 top
D2 "D Tunnel1" 3.2X1.6X1.1#2 180.912,55.255 r180 top
D2 "D Tunnel1" 3.2X1.6X1.1#2 180.912,7.11 r180 top
D2 "D Tunnel1" 3.2X1.6X1.1#2 106.224,151.545 r180 top
D2 "D Tunnel1" 3.2X1.6X1.1#2 106.224,103.4 r180 top
D2 "D Tunnel1" 3.2X1.6X1.1#2 106.224,55.255 r180 top
D2 "D Tunnel1" 3.2X1.6X1.1#2 106.224,7.11 r180 top
D2 "D Tunnel1" 3.2X1.6X1.1#2 31.536,151.545 r180 top
D2 "D Tunnel1" 3.2X1.6X1.1#2 31.536,103.4 r180 top
D2 "D Tunnel1" 3.2X1.6X1.1#2 31.536,55.255 r180 top
D2 "D Tunnel1" 3.2X1.6X1.1#2 31.536,7.11 r180 top
D3 "D Tunnel1" 3.2X1.6X1.1#3 246.2,29.11 r180 top
D3 "D Tunnel1" 3.2X1.6X1.1#3 246.2,77.255 r180 top
D3 "D Tunnel1" 3.2X1.6X1.1#3 246.2,125.4 r180 top
D3 "D Tunnel1" 3.2X1.6X1.1#3 246.2,173.545 r180 top
D3 "D Tunnel1" 3.2X1.6X1.1#3 171.512,173.545 r180 top
D3 "D Tunnel1" 3.2X1.6X1.1#3 171.512,125.4 r180 top
D3 "D Tunnel1" 3.2X1.6X1.1#3 171.512,77.255 r180 top
D3 "D Tunnel1" 3.2X1.6X1.1#3 171.512,29.11 r180 top
D3 "D Tunnel1" 3.2X1.6X1.1#3 96.824,173.545 r180 top
D3 "D Tunnel1" 3.2X1.6X1.1#3 96.824,125.4 r180 top
D3 "D Tunnel1" 3.2X1.6X1.1#3 96.824,77.255 r180 top
D3 "D Tunnel1" 3.2X1.6X1.1#3 96.824,29.11 r180 top
D3 "D Tunnel1" 3.2X1.6X1.1#3 22.136,173.545 r180 top
D3 "D Tunnel1" 3.2X1.6X1.1#3 22.136,125.4 r180 top
D3 "D Tunnel1" 3.2X1.6X1.1#3 22.136,77.255 r180 top
D3 "D Tunnel1" 3.2X1.6X1.1#3 22.136,29.11 r180 top
D4 "D Tunnel1" 3.2X1.6X1.1#2 255.6,10.51 r180 top
D4 "D Tunnel1" 3.2X1.6X1.1#2 255.6,58.655 r180 top
D4 "D Tunnel1" 3.2X1.6X1.1#2 255.6,106.8 r180 top
D4 "D Tunnel1" 3.2X1.6X1.1#2 255.6,154.945 r180 top
D4 "D Tunnel1" 3.2X1.6X1.1#2 180.912,154.945 r180 top
D4 "D Tunnel1" 3.2X1.6X1.1#2 180.912,106.8 r180 top
D4 "D Tunnel1" 3.2X1.6X1.1#2 180.912,58.655 r180 top
D4 "D Tunnel1" 3.2X1.6X1.1#2 180.912,10.51 r180 top
D4 "D Tunnel1" 3.2X1.6X1.1#2 106.224,154.945 r180 top
D4 "D Tunnel1" 3.2X1.6X1.1#2 106.224,106.8 r180 top
D4 "D Tunnel1" 3.2X1.6X1.1#2 106.224,58.655 r180 top
D4 "D Tunnel1" 3.2X1.6X1.1#2 106.224,10.51 r180 top
D4 "D Tunnel1" 3.2X1.6X1.1#2 31.536,154.945 r180 top
D4 "D Tunnel1" 3.2X1.6X1.1#2 31.536,106.8 r180 top
D4 "D Tunnel1" 3.2X1.6X1.1#2 31.536,58.655 r180 top
D4 "D Tunnel1" 3.2X1.6X1.1#2 31.536,10.51 r180 top
D40 "D Tunnel1" 3.2X1.6X1.1#2 289.6,11.31 r0 top
D40 "D Tunnel1" 3.2X1.6X1.1#2 289.6,59.455 r0 top
D40 "D Tunnel1" 3.2X1.6X1.1#2 289.6,107.6 r0 top
D40 "D Tunnel1" 3.2X1.6X1.1#2 289.6,155.745 r0 top
D40 "D Tunnel1" 3.2X1.6X1.1#2 214.912,155.745 r0 top
D40 "D Tunnel1" 3.2X1.6X1.1#2 214.912,107.6 r0 top
D40 "D Tunnel1" 3.2X1.6X1.1#2 214.912,59.455 r0 top
D40 "D Tunnel1" 3.2X1.6X1.1#2 214.912,11.31 r0 top
D40 "D Tunnel1" 3.2X1.6X1.1#2 140.224,155.745 r0 top
D40 "D Tunnel1" 3.2X1.6X1.1#2 140.224,107.6 r0 top
D40 "D Tunnel1" 3.2X1.6X1.1#2 140.224,59.455 r0 top
D40 "D Tunnel1" 3.2X1.6X1.1#2 140.224,11.31 r0 top
D40 "D Tunnel1" 3.2X1.6X1.1#2 65.536,155.745 r0 top
D40 "D Tunnel1" 3.2X1.6X1.1#2 65.536,107.6 r0 top
D40 "D Tunnel1" 3.2X1.6X1.1#2 65.536,59.455 r0 top
D40 "D Tunnel1" 3.2X1.6X1.1#2 65.536,11.31 r0 top
D41 "D Tunnel1" 3.2X1.6X1.1#2 289.6,16.91 r0 top
D41 "D Tunnel1" 3.2X1.6X1.1#2 289.6,65.055 r0 top
D41 "D Tunnel1" 3.2X1.6X1.1#2 289.6,113.2 r0 top
D41 "D Tunnel1" 3.2X1.6X1.1#2 289.6,161.345 r0 top
D41 "D Tunnel1" 3.2X1.6X1.1#2 214.912,161.345 r0 top
D41 "D Tunnel1" 3.2X1.6X1.1#2 214.912,113.2 r0 top
D41 "D Tunnel1" 3.2X1.6X1.1#2 214.912,65.055 r0 top
D41 "D Tunnel1" 3.2X1.6X1.1#2 214.912,16.91 r0 top
D41 "D Tunnel1" 3.2X1.6X1.1#2 140.224,161.345 r0 top
D41 "D Tunnel1" 3.2X1.6X1.1#2 140.224,113.2 r0 top
D41 "D Tunnel1" 3.2X1.6X1.1#2 140.224,65.055 r0 top
D41 "D Tunnel1" 3.2X1.6X1.1#2 140.224,16.91 r0 top
D41 "D Tunnel1" 3.2X1.6X1.1#2 65.536,161.345 r0 top
D41 "D Tunnel1" 3.2X1.6X1.1#2 65.536,113.2 r0 top
D41 "D Tunnel1" 3.2X1.6X1.1#2 65.536,65.055 r0 top
D41 "D Tunnel1" 3.2X1.6X1.1#2 65.536,16.91 r0 top
D47 "D Tunnel1" 3.2X1.6X1.1#2 289.6,8.51 r0 top
D47 "D Tunnel1" 3.2X1.6X1.1#2 289.6,56.655 r0 top
D47 "D Tunnel1" 3.2X1.6X1.1#2 289.6,104.8 r0 top
D47 "D Tunnel1" 3.2X1.6X1.1#2 289.6,152.945 r0 top
D47 "D Tunnel1" 3.2X1.6X1.1#2 214.912,152.945 r0 top
D47 "D Tunnel1" 3.2X1.6X1.1#2 214.912,104.8 r0 top
D47 "D Tunnel1" 3.2X1.6X1.1#2 214.912,56.655 r0 top
D47 "D Tunnel1" 3.2X1.6X1.1#2 214.912,8.51 r0 top
D47 "D Tunnel1" 3.2X1.6X1.1#2 140.224,152.945 r0 top
D47 "D Tunnel1" 3.2X1.6X1.1#2 140.224,104.8 r0 top
D47 "D Tunnel1" 3.2X1.6X1.1#2 140.224,56.655 r0 top
D47 "D Tunnel1" 3.2X1.6X1.1#2 140.224,8.51 r0 top
D47 "D Tunnel1" 3.2X1.6X1.1#2 65.536,152.945 r0 top
D47 "D Tunnel1" 3.2X1.6X1.1#2 65.536,104.8 r0 top
D47 "D Tunnel1" 3.2X1.6X1.1#2 65.536,56.655 r0 top
D47 "D Tunnel1" 3.2X1.6X1.1#2 65.536,8.51 r0 top